# KiCad board keyboard0.kicad_pcb (continued)
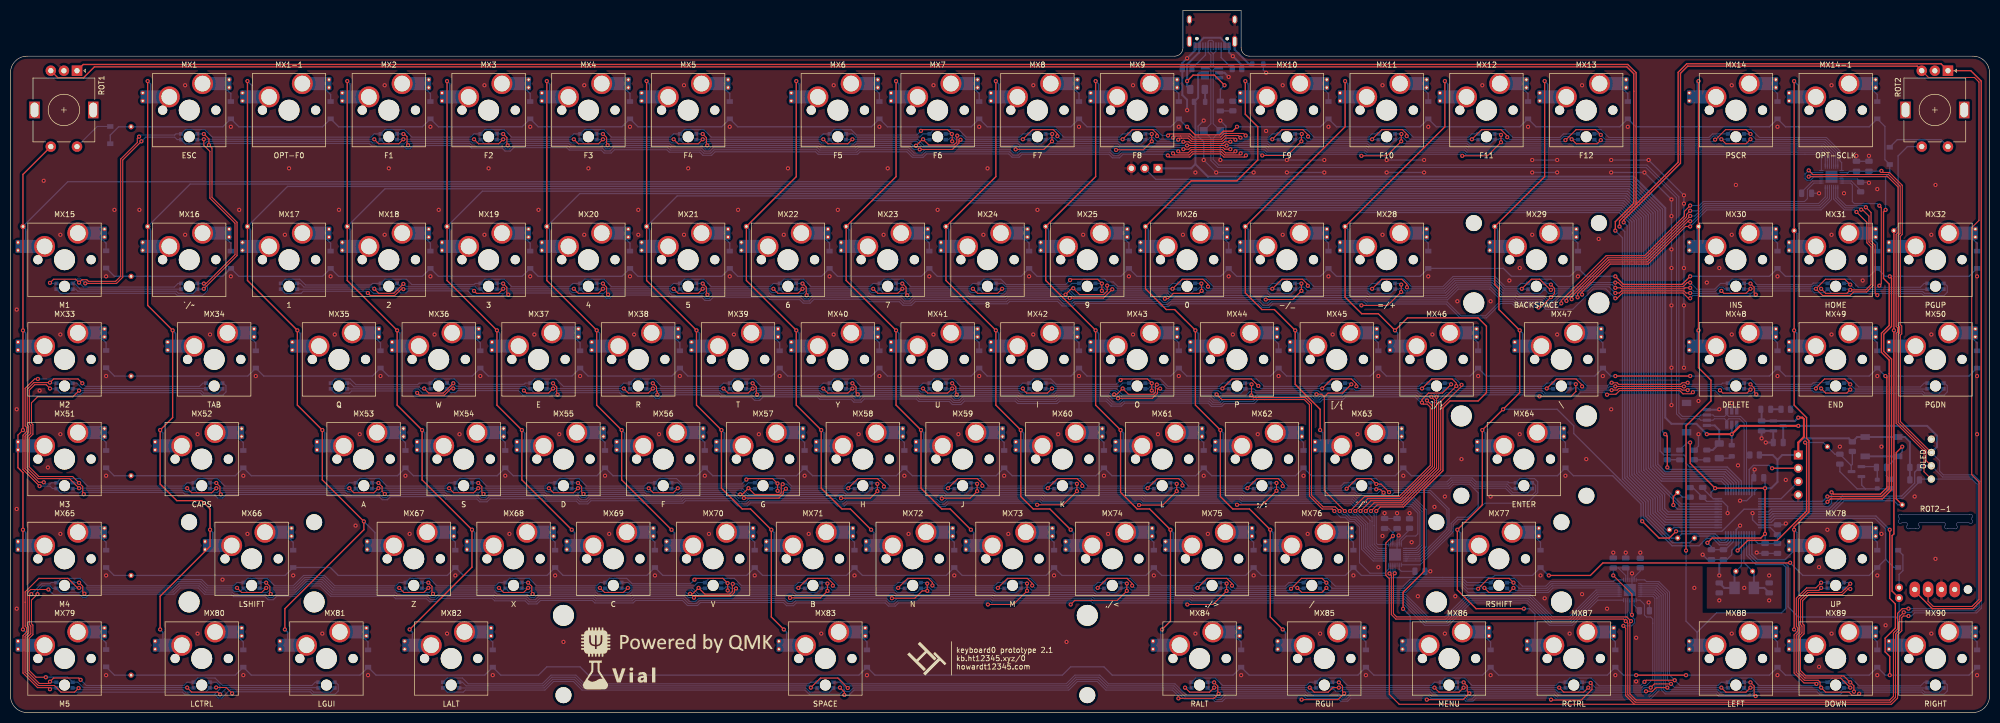
[diagram p0: board, top side]
## Routing (per net, layer and track width the routed paths; a pad name or vN(x,y) marks a point on that pad's centre or on a via; arc(x,y) is an arc through that point) (continued)
  Bottom w0.25: U14.14 315.77,35.85 313.54,38.08 313.54,40.75 309.08,45.21 309.08,93.56 307.1,95.53 257.45,95.53 COL13.1 255.3,92.34 255.3,89.05 ; v1(273.83,120.64) 274.35,120.12 274.35,117.63 ; 267.21,12.86 267.21,18.44 v1(265.85,19.8) ; v1(264.3,73.02) 264.83,72.49 264.83,70
COL14: length 207
  Top w0.25: v1(292.88,120.64) 292.88,102.39 COL14.1 283.35,81.75 284.14,80.96 284.14,76.99 v1(288.11,73.02) 288.11,61.11 v1(284.94,57.94) v1(280.97,53.97) 280.97,39.69 v1(276.21,34.92) 276.21,23.41 279.78,19.84 v1(288.91,19.84)
  Bottom w0.25: v1(280.97,53.97) 281.5,53.44 281.5,50.96 ; v1(284.94,57.94) 295.26,57.94 298.43,54.77 298.43,53.31 307.28,44.47 307.28,44.47 311.71,40.03 311.71,37.36 317.2,31.87 322.36,31.87 323.76,33.27 325.01,33.27 326.23,32.04 327.66,32.04 328.43,32.81 U14.10 ; 288.64,70 288.64,72.49 v1(288.11,73.02) ; 283.88,89.05 283.88,92.34 COL14.1 ; 276.73,31.91 276.73,34.4 v1(276.21,34.92) ; v1(288.91,19.84) 290.01,19.84 291.02,18.83 291.02,12.86 ; 293.4,117.63 293.4,120.12 v1(292.88,120.64)
COL15: length 160.8
  Top w0.25: v1(322.24,120.64) v1(322.24,73.02) 322.24,65.88 324.62,63.5 324.62,59.53 319.86,54.77 v1(319.86,30.95)
  Bottom w0.25: 321.98,12.86 321.98,15.35 ; 321.98,15.35 325.68,19.05 338.12,19.05 338.91,19.84 338.91,27.78 338.41,28.28 333.17,28.28 331.43,30.02 U14.4 ; 321.98,15.35 319.86,17.46 v1(319.86,30.95) ; 321.98,89.05 321.98,92.6 COL15.1 ; v1(322.24,120.64) 321.98,120.38 321.98,117.63 ; 321.98,70 321.98,72.75 v1(322.24,73.02)
COL16: length 137.1
  Top w0.25: v1(340.5,120.64) COL16.1 v1(340.5,73.02) 340.5,58.73 342.88,56.35 342.88,52.38 343.33,51.93 343.33,38.31 340.5,35.48 v1(340.5,34.92) v1(340.5,15.87)
  Bottom w0.25: 341.02,70 341.02,72.49 v1(340.5,73.02) ; COL16.1 341.02,91.54 341.02,89.05 ; U14.2 332.43,30.29 333.54,29.18 338.72,29.18 341.02,31.48 ; v1(340.5,15.87) 341.02,15.35 341.02,12.86 ; 341.02,31.91 341.02,34.4 v1(340.5,34.92) ; v1(340.5,120.64) 341.35,119.79 MX14-1.1
COL17: length 148.5
  Top w0.25: ROT2-1.S1 359.2,23.2 359.2,33.78 359.55,34.13 v1(359.55,73.02) COL17.1
  Bottom w0.25: ROT2.S1 362.13,108.13 360.35,106.35 360.35,92.87 COL17.1 360.07,91.54 360.07,89.05 ; U14.3 331.93,30.16 333.36,28.73 338.6,28.73 339.36,27.97 339.36,20.19 341.29,18.26 359.93,18.26 360.53,17.65 ; 360.07,70 360.07,72.49 v1(359.55,73.02) ; 360.07,12.86 360.07,15.35 360.53,15.81 360.53,17.65 ; 360.53,17.65 ROT2-1.S1
D+: length 188.1
  Bottom w0.2: 230.13,127.23 230.13,126.36 229.6,125.83 ; 331.4,48.57 R58.2 ; 230.03,123.17 229.6,123.59 229.6,125.83 ; 230.03,123.17 230.03,123.18 230.48,123.18 ; 230.03,123.17 229.6,122.75 229.6,112.48 D+1.1 229.6,109.76 229.6,105.66 230.66,104.6 312.41,104.6 318.5,98.51 318.5,57.24 319.16,56.58 322.4,56.58 322.68,56.85 J2.3 325,56.85 325.28,56.58 327.23,56.58 327.64,56.99 ; 229.13,127.23 229.13,126.31 229.6,125.83 ; U2.1 327.64,56.96 328.02,56.58 330.27,56.58 331.4,55.45 331.4,42.29 ; 331.84,49.21 331.4,49.64
D-: length 188
  Bottom w0.2: 228.74,123.18 228.28,123.18 ; 228.74,123.18 229.15,122.77 229.15,112.48 D-1.1 229.15,109.76 229.15,105.47 230.48,104.15 312.23,104.15 318.05,98.33 318.05,57.05 318.97,56.13 322.4,56.13 322.68,55.85 J2.2 325,55.85 325.28,56.13 327.23,56.13 327.64,55.72 ; 228.74,123.18 229.15,123.59 229.15,125.63 228.63,126.15 USB1.B7 228.63,128.23 228.84,128.43 229.38,128.43 229.63,128.18 USB1.A7 ; 330.95,42.29 330.95,55.26 330.09,56.13 328.02,56.13 327.64,55.75 U2.6
Earth: length 6
  Bottom w0.381: FB5.2 236.52,123.82 233.7,126.64 233.7,128.15
ENCODER_A: length 607.6
  Top w0.25: 310.34,97.11 318.35,105.13 318.35,122.31 320,123.95 368.54,123.95 ROT2.A 374.23,122.63 376.21,120.64 376.21,21.43 374.63,19.84 366.88,19.84 363.53,23.19 ; 310.34,97.11 310.34,122.23 308.75,123.82 13.89,123.82 ROT1.A ; 310.34,97.11 307.16,93.94 v1(307.16,92.86)
  Bottom w0.25: v1(307.16,92.86) 308.18,91.85 308.18,44.84 312.64,40.38 312.64,37.71 317.01,33.34 ENCA1.1 319.11,34.17 325.38,34.17 326.61,32.94 327.29,32.94 327.43,33.08 U14.12
ENCODER_B1: length 412.1
  Top w0.25: ROT1.B 9.02,121.3 13.96,121.3 16.03,123.37 308.56,123.37 309.89,122.04 309.89,118.71 309.89,97.3 306.37,93.78 v1(306.37,92.07)
  Bottom w0.25: v1(306.37,92.07) 307.73,90.71 307.73,44.65 312.16,40.22 312.16,37.55 317.27,32.44 320.55,32.44 ENCB1.1 321.83,33.72 325.19,33.72 326.42,32.49 327.47,32.49 327.9,32.92 327.9,33.44
ENCODER_B2: length 277
  Top w0.2: ROT2.B 366.16,121.33 374.93,121.33 375.79,120.47 375.79,94.03 374.4,92.65 374.4,45.46 375.79,44.08 375.79,21.61 374.45,20.27 367.06,20.27 366.07,21.25 ROT2-1.B
  Top w0.25: v1(307.96,93.66) 307.96,94.09 318.8,104.94 318.8,122.12 320.18,123.5 363.99,123.5 ROT2.B
  Bottom w0.25: v1(307.96,93.66) 308.63,92.99 308.63,45.03 313.09,40.57 313.09,37.89 316.06,34.92 ENCB2.1 317.08,34.92 317.51,35.35 U14.13
KEYBOARD_RESET: length 47.1
  Top w0.25: v1(342.6,51.59) 342.88,51.32 342.88,38.49 337.27,32.89 331.64,32.89 v1(329.7,30.95)
  Bottom w0.25: v1(329.7,30.95) 329.93,31.18 U14.7 ; 351.4,47.19 351.4,46.03 ; 351.4,47.19 351.61,47.4 R5.2 ; 351.4,47.19 C4.1 348.28,49.37 RST1.1 346.05,51.59 v1(342.6,51.59)
KEYBOARD_XTAL1: length 14.2
  Bottom w0.25: U14.5 330.93,28.62 X1.1
  Bottom w0.381: X1.1 332.82,26.72 Y2.1 334.79,23.81 C3.1
KEYBOARD_XTAL2: length 14
  Bottom w0.25: U14.6 330.43,28.03 X2.1
  Bottom w0.381: C7.1 327.16,23.81 Y2.2 329.12,26.72 X2.1
ROT1_ROW: length 459.6
  Top w0.25: v1(224.62,111.91) 226.16,110.37 230.85,110.37 231.55,111.07 233.29,111.07 v1(234.14,111.91) ; v1(346.85,41.27) 357.16,41.27 358.65,42.75 358.65,64.79 358.65,64.79 358.65,67.33 357.16,68.81 357.16,72.47 358.65,73.95 358.65,81.86 357.56,82.94 357.56,95.64 v1(357.96,96.04)
  Bottom w0.25: v1(357.96,96.04) 357.96,102.39 358.75,103.18 D4.1 357.83,105.63 357.83,111.98 KD14-1.1 354.85,111.91 338.85,111.91 KD14.1 335.8,111.91 310.27,111.91 KD13.1 307.22,111.91 291.23,111.91 KD12.1 288.18,111.91 272.18,111.91 KD11.1 269.13,111.91 253.13,111.91 KD10.1 250.08,111.91 v1(234.14,111.91) ; D3.1 19.05,110.32 20.64,111.91 ROW0.1 40.54,111.91 KD1.1 43.59,111.91 59.59,111.91 KD1-1.1 62.64,111.91 78.64,111.91 KD2.1 81.69,111.91 97.69,111.91 KD3.1 100.74,111.91 116.74,111.91 KD4.1 119.79,111.91 135.79,111.91 KD5.1 138.83,111.91 164.36,111.91 KD6.1 167.41,111.91 183.41,111.91 KD7.1 186.46,111.91 202.46,111.91 KD8.1 205.51,111.91 221.5,111.91 KD9.1 224.55,111.91 v1(224.62,111.91) ; v1(346.85,41.27) 345.92,40.35 U14.38
ROT2-1_ROW: length 392.7
  Top w0.25: v1(339.74,28.62) 339.69,28.57 303.99,28.57 301.61,26.19 v1(293.67,26.19)
  Bottom w0.25: 357.96,29.3 359.55,27.72 D6.1 ; 357.96,29.3 KD78.1 354.85,26.19 342.16,26.19 v1(339.74,28.62) ; 357.96,29.3 357.96,35.08 355.95,37.09 336.88,37.09 336.13,36.35 U14.46 ; v1(293.67,26.19) 293.61,26.19 KD77.1 290.56,26.19 283.34,26.19 282.95,25.8 273.43,25.8 273.43,25.79 262.95,25.79 262.55,26.19 257.89,26.19 KD76.1 254.84,26.19 238.84,26.19 KD75.1 235.79,26.19 219.79,26.19 KD74.1 216.74,26.19 200.74,26.19 KD73.1 197.69,26.19 181.69,26.19 KD72.1 178.65,26.19 162.65,26.19 KD71.1 159.6,26.19 143.6,26.19 KD70.1 140.55,26.19 124.55,26.19 KD69.1 121.5,26.19 105.5,26.19 KD68.1 102.45,26.19 86.45,26.19 KD67.1 83.4,26.19 62.58,26.19 61.05,27.72 KD66.1 52.45,26.19 19.78,26.19 KD65.1
ROW1: length 447.9
  Top w0.25: v1(358.75,83.34) 359.1,82.99 359.1,73.76 357.61,72.28 357.61,69 359.1,67.52 359.1,42.57 357.35,40.82 347.42,40.82 v1(346.86,40.26) ; v1(320.65,83.34) 319.1,81.79 307.92,81.79 v1(306.37,83.34)
  Bottom w0.25: 299.29,84.86 300.81,83.34 v1(306.37,83.34) ; U14.39 346.41,39.85 346.83,40.26 v1(346.86,40.26) ; KD32.1 373.9,83.34 v1(358.75,83.34) 357.9,83.34 KD31.1 354.85,83.34 338.85,83.34 KD30.1 335.8,83.34 v1(320.65,83.34) ; KD29.1 297.7,83.34 286.53,83.34 285,84.86 KD28.1 269.13,83.34 253.13,83.34 KD27.1 250.08,83.34 234.08,83.34 KD26.1 231.03,83.34 215.03,83.34 KD25.1 211.98,83.34 195.98,83.34 KD24.1 192.93,83.34 176.93,83.34 KD23.1 173.88,83.34 157.88,83.34 KD22.1 154.83,83.34 138.83,83.34 KD21.1 135.79,83.34 119.79,83.34 KD20.1 116.74,83.34 100.74,83.34 KD19.1 97.69,83.34 81.69,83.34 KD18.1 78.64,83.34 62.64,83.34 KD17.1 59.59,83.34 43.59,83.34 KD16.1 40.54,83.34 ROW1.1 19.84,83.34 KD15.1
ROW2: length 427
  Top w0.25: v1(357.92,64.29) 358.2,64.01 358.2,42.94 356.98,41.72 347.98,41.72 v1(347.64,42.07) ; v1(306.37,64.29) v1(320.65,64.29)
  Bottom w0.25: v1(306.37,64.29) 305.51,64.29 KD47.1 302.46,64.29 281.7,64.29 KD46.1 278.65,64.29 262.65,64.29 KD45.1 259.6,64.29 243.6,64.29 KD44.1 240.55,64.29 224.55,64.29 KD43.1 221.5,64.29 205.51,64.29 KD42.1 202.46,64.29 186.46,64.29 KD41.1 183.41,64.29 167.41,64.29 KD40.1 164.36,64.29 148.36,64.29 KD39.1 145.31,64.29 129.31,64.29 KD38.1 126.26,64.29 110.26,64.29 KD37.1 107.21,64.29 91.21,64.29 KD36.1 88.16,64.29 72.16,64.29 KD35.1 69.11,64.29 48.35,64.29 KD34.1 45.3,64.29 19.84,64.29 KD33.1 ; v1(320.65,64.29) 335.8,64.29 KD48.1 338.85,64.29 354.85,64.29 KD49.1 357.9,64.29 v1(357.92,64.29) 373.9,64.29 KD50.1 ; U14.40 347.02,39.35 347.64,39.97 v1(347.64,42.07)
ROW3: length 342.1
  Top w0.25: v1(317.96,34.62) 316.67,33.34 314.71,33.34 v1(311.49,36.55)
  Bottom w0.25: v1(317.96,34.62) 326.7,34.62 330.93,38.85 U14.41 ; v1(311.49,36.55) 311.26,36.78 311.26,39.85 305.87,45.24 298.37,45.24 KD64.1 295.32,45.24 267.41,45.24 KD63.1 264.36,45.24 248.37,45.24 KD62.1 245.32,45.24 229.32,45.24 KD61.1 226.27,45.24 210.27,45.24 KD60.1 207.22,45.24 191.22,45.24 KD59.1 188.17,45.24 172.17,45.24 KD58.1 169.12,45.24 153.12,45.24 KD57.1 150.07,45.24 134.07,45.24 KD56.1 131.02,45.24 115.02,45.24 KD55.1 111.97,45.24 95.98,45.24 KD54.1 92.93,45.24 76.93,45.24 KD53.1 73.88,45.24 45.97,45.24 KD52.1 42.92,45.24 ROW3.1 19.78,45.24 KD51.1
ROW5: length 428.9
  Top w0.25: v1(310.34,7.14) v1(319.86,7.14) ; v1(358.75,34.92) 358.75,21.83 359.82,20.76 359.82,16.15 357.87,14.2 357.87,11.6 358.75,10.71 v1(358.75,7.14)
  Bottom w0.25: U14.45 336,36.85 336.69,37.54 356.13,37.54 v1(358.75,34.92) ; KD79.1 19.84,7.14 ROW5.1 42.92,7.14 KD80.1 45.97,7.14 66.73,7.14 KD81.1 69.78,7.14 90.54,7.14 KD82.1 93.59,7.14 100.8,7.14 102.39,8.73 108.74,8.73 110.32,7.14 161.98,7.14 KD83.1 165.03,7.14 200.81,7.14 202.39,8.73 208.74,8.73 210.33,7.14 233.41,7.14 KD84.1 236.46,7.14 257.22,7.14 KD85.1 260.27,7.14 281.03,7.14 KD86.1 284.08,7.14 304.84,7.14 KD87.1 307.89,7.14 v1(310.34,7.14) ; v1(319.86,7.14) 335.8,7.14 KD88.1 338.85,7.14 354.85,7.14 KD89.1 357.9,7.14 v1(358.75,7.14) 373.9,7.14 KD90.1
SCL: length 311.1
  Top w0.2: v1(263.26,26.56) 263.61,26.21 263.61,18.72 264.47,17.86 307.95,17.86 v1(308.35,17.46) 308.75,17.07 308.75,3.41 310.17,1.98 358.92,1.98 359.85,2.91 359.85,14.99 360.65,15.78 360.65,18.36 v1(361.43,19.14) ; v1(343.28,103.58) 344.07,102.78 358.52,102.78 360.75,100.56 360.75,91.52 360.37,91.14 360.37,73.95 360.65,73.68 360.65,72.52 360.37,72.24 360.37,55.44 365.69,50.12 365.69,48.14 OL1.2
  Bottom w0.2: I1.20 343.7,103.15 v1(343.28,103.58) 342.58,102.88 342.58,102.05 342.94,101.69 343.61,101.69 344.28,102.35 I1.18 ; v1(361.43,19.14) 362.82,19.14 362.82,19.15 363.12,19.44 375.19,19.44 375.82,20.07 375.82,43.82 374.63,45.01 368.83,45.01 OL1.2 ; I3.20 308.35,17.47 v1(308.35,17.46) ; I2.20 263.5,26.81 v1(263.26,26.56)
  Bottom w0.25: U14.42 335.59,38.35 336.13,38.89 347.2,38.89 349.67,41.36 361.04,41.36 363.51,43.83 363.51,45.92 R39.2 ; OL1.2 364.74,47.15
SDA: length 305.2
  Top w0.2: OL1.1 365.29,46 365.29,49.95 359.97,55.27 359.97,72.41 360.25,72.68 360.25,73.51 359.97,73.79 359.97,91.31 360.35,91.69 360.35,100.4 358.36,102.38 343.9,102.38 343.9,102.39 v1(343.28,102.39) ; v1(362.32,19.84) 361.13,19.84 360.25,18.96 360.25,15.97 360.24,15.97 359.45,15.18 359.45,3.08 358.75,2.38 310.34,2.38 309.15,3.57 309.15,17.26 v1(309.35,17.46) 308.55,18.26 264.63,18.26 264.01,18.89 264.01,26.36 v1(264.25,26.6)
  Bottom w0.2: I1.19 343.64,102.75 v1(343.28,102.39) ; OL1.1 374.47,44.61 375.42,43.65 375.42,20.24 375.02,19.84 v1(362.32,19.84) ; I2.18 264.3,26.65 v1(264.25,26.6) 263.9,26.95 I2.19 ; v1(309.35,17.46) 308.75,18.07 I3.19
  Bottom w0.25: 364.43,44.11 361.23,40.91 349.86,40.91 347.39,38.44 336.32,38.44 335.72,37.85 U14.43 ; OL1.1 364.59,44.61
SWCLK: length 8.3
  Bottom w0.25: U14.37 338.01,40.85 J1.3
SWDIO: length 14.1
  Top w0.25: J1.2 v1(336.29,46.67)
  Bottom w0.25: v1(336.29,46.67) 335.74,47.23 332.73,47.23 331.93,46.43 U14.34
Net-(C1-Pad1): length 4.7
  Bottom w0.2: I1.16 344.04,101.55 341.93,99.44
Net-(C2-Pad1): length 4.8
  Bottom w0.25: R7.1 356.37,46.67 ; 353.4,46.98 356.06,46.98
Net-(C8-Pad1): length 4
  Bottom w0.2: C8.1 265.5,26.99 265.1,27.39 I2.16
Net-(C9-Pad1): length 2.5
  Bottom w0.2: I3.16 309.95,20.47 C9.1
Net-(D1-Pad1): length 2.4
  Bottom w0.25: R2.2 318.65,48.3
Net-(D2-Pad1): length 2.4
  Bottom w0.25: D2.1 233.32,114.94
Net-(D3-Pad2): length 7.9
  Bottom w0.2: ROT1.S2 16.55,111.97 D3.2
Net-(D4-Pad2): length 12.3
  Bottom w0.25: D4.2 360.2,109.45 368.54,109.45 ROT2.S2
Net-(D5-Pad1): length 2.4
  Bottom w0.25: D5.1 321.47,48.27
Net-(D6-Pad2): length 7.8
  Bottom w0.25: ROT2-1.S2 360.53,26.39 361.26,27.12 361.26,30.09 D6.2
Net-(D11-Pad1): length 2
  Bottom w0.381: D11.1 R64.2
Net-(F1-Pad2): length 2.3
  Bottom w0.381: FB1.1 228.06,119
Net-(F8-Pad2): length 2.5
  Bottom w0.25: F8.2 328.25,48.6 FB15.1
Net-(I1-Pad6): length 4.4
  Bottom w0.2: I1.6 351.42,101.55 353.2,99.78
Net-(I2-Pad6): length 3.6
  Bottom w0.2: 267.08,34.92 265.1,32.95 265.1,32.55 265.1,32.55 I2.6
Net-(I3-Pad6): length 2.8
  Bottom w0.2: R16.2 311.13,27.04 309.95,25.86 I3.6
Net-(KD1-1-Pad2): length 4.3
  Bottom w0.25: MX1-1.2 61.11,118.07 KD1-1.2
Net-(KD1-Pad2): length 4.2
  Bottom w0.25: KD1.2 42.07,118.24 40.14,120.17
Net-(KD2-Pad2): length 4.2
  Bottom w0.25: 78.24,120.17 80.16,118.24 KD2.2
Net-(KD3-Pad2): length 4.2
  Bottom w0.25: 97.29,120.17 99.21,118.24 KD3.2
Net-(KD4-Pad2): length 4.2
  Bottom w0.25: 116.34,120.17 118.26,118.24 KD4.2
Net-(KD5-Pad2): length 4.2
  Bottom w0.25: KD5.2 137.31,118.24 135.39,120.17
Net-(KD6-Pad2): length 4.2
  Bottom w0.25: KD6.2 165.88,118.24 163.96,120.17
Net-(KD7-Pad2): length 4.2
  Bottom w0.25: KD7.2 184.93,118.24 183.01,120.17
Net-(KD8-Pad2): length 4.2
  Bottom w0.25: KD8.2 203.98,118.24 202.06,120.17
Net-(KD9-Pad2): length 4.2
  Bottom w0.25: 221.11,120.17 223.03,118.24 KD9.2
Net-(KD10-Pad2): length 4.2
  Bottom w0.25: 249.68,120.17 251.6,118.24 KD10.2
Net-(KD11-Pad2): length 4.2
  Bottom w0.25: 268.73,120.17 270.65,118.24 KD11.2
Net-(KD12-Pad2): length 4.2
  Bottom w0.25: KD12.2 289.7,118.24 287.78,120.17
Net-(KD13-Pad2): length 4.2
  Bottom w0.25: KD13.2 308.75,118.24 306.83,120.17
Net-(KD14-1-Pad2): length 4.3
  Bottom w0.25: MX14-1.2 356.37,118.07 KD14-1.2
Net-(KD14-Pad2): length 4.2
  Bottom w0.25: 335.4,120.17 337.32,118.24 KD14.2
Net-(KD15-Pad2): length 4.2
  Bottom w0.25: 16.33,91.59 18.26,89.67 KD15.2
Net-(KD16-Pad2): length 4.2
  Bottom w0.25: 40.14,91.59 42.07,89.67 KD16.2
Net-(KD17-Pad2): length 4.2
  Bottom w0.25: KD17.2 61.11,89.67 59.19,91.59
Net-(KD18-Pad2): length 4.2
  Bottom w0.25: KD18.2 80.16,89.67 78.24,91.59
Net-(KD19-Pad2): length 4.2
  Bottom w0.25: KD19.2 99.21,89.67 97.29,91.59
Net-(KD20-Pad2): length 4.2
  Bottom w0.25: KD20.2 118.26,89.67 116.34,91.59
Net-(KD21-Pad2): length 4.2
  Bottom w0.25: KD21.2 137.31,89.67 135.39,91.59
Net-(KD22-Pad2): length 4.2
  Bottom w0.25: KD22.2 156.36,89.67 154.44,91.59
Net-(KD23-Pad2): length 4.2
  Bottom w0.25: 173.49,91.59 175.41,89.67 KD23.2
Net-(KD24-Pad2): length 4.2
  Bottom w0.25: KD24.2 194.46,89.67 192.53,91.59
Net-(KD25-Pad2): length 4.2
  Bottom w0.25: 211.58,91.59 213.51,89.67 KD25.2
Net-(KD26-Pad2): length 4.2
  Bottom w0.25: 230.63,91.59 232.55,89.67 KD26.2
Net-(KD27-Pad2): length 4.2
  Bottom w0.25: KD27.2 251.6,89.67 249.68,91.59
Net-(KD28-Pad2): length 4.2
  Bottom w0.25: KD28.2 270.65,89.67 268.73,91.59
Net-(KD29-Pad2): length 4.2
  Bottom w0.25: KD29.2 299.22,89.67 297.3,91.59
Net-(KD30-Pad2): length 4.2
  Bottom w0.25: KD30.2 337.32,89.67 335.4,91.59
Net-(KD31-Pad2): length 4.2
  Bottom w0.25: 354.45,91.59 356.37,89.67 KD31.2
Net-(KD32-Pad2): length 4.2
  Bottom w0.25: 373.5,91.59 375.42,89.67 KD32.2
Net-(KD33-Pad2): length 4.2
  Bottom w0.25: 16.33,72.54 18.26,70.62 KD33.2
Net-(KD34-Pad2): length 4.2
  Bottom w0.25: KD34.2 46.83,70.62 44.91,72.54
Net-(KD35-Pad2): length 4.2
  Bottom w0.25: KD35.2 70.64,70.62 68.72,72.54
Net-(KD36-Pad2): length 4.2
  Bottom w0.25: 87.77,72.54 89.69,70.62 KD36.2
Net-(KD37-Pad2): length 4.2
  Bottom w0.25: 106.81,72.54 108.74,70.62 KD37.2
Net-(KD38-Pad2): length 4.2
  Bottom w0.25: 125.86,72.54 127.79,70.62 KD38.2
Net-(KD39-Pad2): length 4.2
  Bottom w0.25: KD39.2 146.83,70.62 144.91,72.54
Net-(KD40-Pad2): length 4.2
  Bottom w0.25: KD40.2 165.88,70.62 163.96,72.54
Net-(KD41-Pad2): length 4.2
  Bottom w0.25: 183.01,72.54 184.93,70.62 KD41.2
Net-(KD42-Pad2): length 4.2
  Bottom w0.25: KD42.2 203.98,70.62 202.06,72.54
Net-(KD43-Pad2): length 4.2
  Bottom w0.25: 221.11,72.54 223.03,70.62 KD43.2
Net-(KD44-Pad2): length 4.3
  Bottom w0.25: MX44.2 242.08,70.45 KD44.2
Net-(KD45-Pad2): length 4.2
  Bottom w0.25: 259.21,72.54 261.13,70.62 KD45.2
Net-(KD46-Pad2): length 4.2
  Bottom w0.25: KD46.2 280.18,70.62 278.25,72.54
Net-(KD47-Pad2): length 4.2
  Bottom w0.25: KD47.2 303.99,70.62 302.07,72.54
Net-(KD48-Pad2): length 4.2
  Bottom w0.25: 335.4,72.54 337.32,70.62 KD48.2
Net-(KD49-Pad2): length 4.2
  Bottom w0.25: KD49.2 356.37,70.62 354.45,72.54
Net-(KD50-Pad2): length 4.2
  Bottom w0.25: KD50.2 375.42,70.62 373.5,72.54
Net-(KD51-Pad2): length 4.2
  Bottom w0.25: KD51.2 18.26,51.57 16.33,53.5
Net-(KD52-Pad2): length 4.2
  Bottom w0.25: 42.53,53.5 44.45,51.57 KD52.2
Net-(KD53-Pad2): length 4.3
  Bottom w0.25: 73.42,53.5 75.4,51.52 KD53.2
Net-(KD54-Pad2): length 4.2
  Bottom w0.25: KD54.2 94.45,51.57 92.53,53.5
Net-(KD55-Pad2): length 4.2
  Bottom w0.25: KD55.2 113.5,51.57 111.58,53.5
Net-(KD56-Pad2): length 4.2
  Bottom w0.25: KD56.2 132.55,51.57 130.63,53.5
Net-(KD57-Pad2): length 4.2
  Bottom w0.25: 149.67,53.5 151.6,51.57 KD57.2
Net-(KD58-Pad2): length 4.2
  Bottom w0.25: 168.72,53.5 170.65,51.57 KD58.2
Net-(KD59-Pad2): length 4.2
  Bottom w0.25: KD59.2 189.69,51.57 187.77,53.5
Net-(KD60-Pad2): length 4.2
  Bottom w0.25: 206.82,53.5 208.74,51.57 KD60.2
Net-(KD61-Pad2): length 4.2
  Bottom w0.25: 225.87,53.5 227.79,51.57 KD61.2
Net-(KD62-Pad2): length 4.2
  Bottom w0.25: 244.92,53.5 246.84,51.57 KD62.2
Net-(KD63-Pad2): length 4.2
  Bottom w0.25: 263.97,53.5 265.89,51.57 KD63.2
Net-(KD64-Pad2): length 4.2
  Bottom w0.25: KD64.2 296.84,51.57 294.92,53.5
Net-(KD65-Pad2): length 4.2
  Bottom w0.25: KD65.2 18.26,32.52 16.33,34.45
Net-(KD66-Pad2): length 4.2
  Bottom w0.25: KD66.2 53.97,32.52 52.05,34.45
Net-(KD67-Pad2): length 4.2
  Bottom w0.25: 83,34.45 84.93,32.52 KD67.2
Net-(KD68-Pad2): length 4.2
  Bottom w0.25: 102.05,34.45 103.97,32.52 KD68.2
Net-(KD69-Pad2): length 4.2
  Bottom w0.25: 121.1,34.45 123.02,32.52 KD69.2
Net-(KD70-Pad2): length 4.2
  Bottom w0.25: 140.15,34.45 142.07,32.52 KD70.2
Net-(KD71-Pad2): length 4.2
  Bottom w0.25: KD71.2 161.12,32.52 159.2,34.45
Net-(KD72-Pad2): length 4.2
  Bottom w0.25: 178.25,34.45 180.17,32.52 KD72.2
Net-(KD73-Pad2): length 4.2
  Bottom w0.25: KD73.2 199.22,32.52 197.3,34.45
Net-(KD74-Pad2): length 4.2
  Bottom w0.25: KD74.2 218.27,32.52 216.35,34.45
Net-(KD75-Pad2): length 4.2
  Bottom w0.25: 235.39,34.45 237.32,32.52 KD75.2
Net-(KD76-Pad2): length 4.2
  Bottom w0.25: KD76.2 256.37,32.52 254.44,34.45
Net-(KD77-Pad2): length 4.2
  Bottom w0.25: KD77.2 292.08,32.52 290.16,34.45
Net-(KD78-Pad2): length 4.2
  Bottom w0.25: KD78.2 356.37,32.52 354.45,34.45
Net-(KD79-Pad2): length 4.2
  Bottom w0.25: MX79.2 18.26,13.3 KD79.2
Net-(KD80-Pad2): length 4.2
  Bottom w0.25: 42.53,15.4 44.45,13.48 KD80.2
Net-(KD81-Pad2): length 4.2
  Bottom w0.25: 66.34,15.4 68.26,13.48 KD81.2
Net-(KD82-Pad2): length 4.2
  Bottom w0.25: KD82.2 92.07,13.48 90.15,15.4
Net-(KD83-Pad2): length 4.2
  Bottom w0.25: KD83.2 163.5,13.48 161.58,15.4
Net-(KD84-Pad2): length 4.2
  Bottom w0.25: KD84.2 234.94,13.48 233.01,15.4
Net-(KD85-Pad2): length 4.2
  Bottom w0.25: 256.82,15.4 258.75,13.48 KD85.2
Net-(KD86-Pad2): length 4.2
  Bottom w0.25: KD86.2 282.56,13.48 280.64,15.4
Net-(KD87-Pad2): length 4.2
  Bottom w0.25: 304.45,15.4 306.37,13.48 KD87.2
Net-(KD88-Pad2): length 4.2
  Bottom w0.25: 335.4,15.4 337.32,13.48 KD88.2
Net-(KD89-Pad2): length 4.2
  Bottom w0.25: 354.45,15.4 356.37,13.48 KD89.2
Net-(KD90-Pad2): length 4.2
  Bottom w0.25: KD90.2 375.42,13.48 373.5,15.4
Net-(R12-Pad1): length 5.1
  Bottom w0.25: 231.13,127.23 231.13,125.12 R12.1
Net-(R13-Pad1): length 5.3
  Bottom w0.25: 228.13,127.23 228.13,125.62 R13.1

## Copper pours and planes (outline as drawn; the poured copper is in the pictures)
GND on Top: 221.44,129.37 221.44,126.2 237.32,126.2 237.32,129.37 381.77,129.37 381.77,-3.97 -3.97,-3.97 -3.97,129.37 ; 1 cut-out
GND on Top: 338.12,19.84 323.83,19.84 323.83,27.78 338.12,27.78
GND on Bottom: 338.12,19.84 323.83,19.84 323.83,27.78 338.12,27.78
GND on Bottom: 221.44,129.37 221.44,126.2 237.32,126.2 237.32,129.37 381.77,129.37 381.77,-3.97 -3.97,-3.97 -3.97,129.37 ; 1 cut-out
Earth on Top: 236.52,126.99 222.24,126.99 222.24,134.14 236.52,134.14
Earth on Bottom: 236.52,126.99 222.24,126.99 222.24,134.14 236.52,134.14

## Text on the board
B.Silkscreen: JLCJLCJLCJLC | keyboard0 prototype 2.1 | kb.ht12345.xyz/0 | howardt12345.com | © 2022 Howard Tseng | 3V3 | SWDIO | SWCLK | GND | A9 | 5V
F.Silkscreen: keyboard0 prototype 2.1 | kb.ht12345.xyz/0 | howardt12345.com
